# Altium PCB PCB2.PcbDoc (part 1 of 5) (continued)
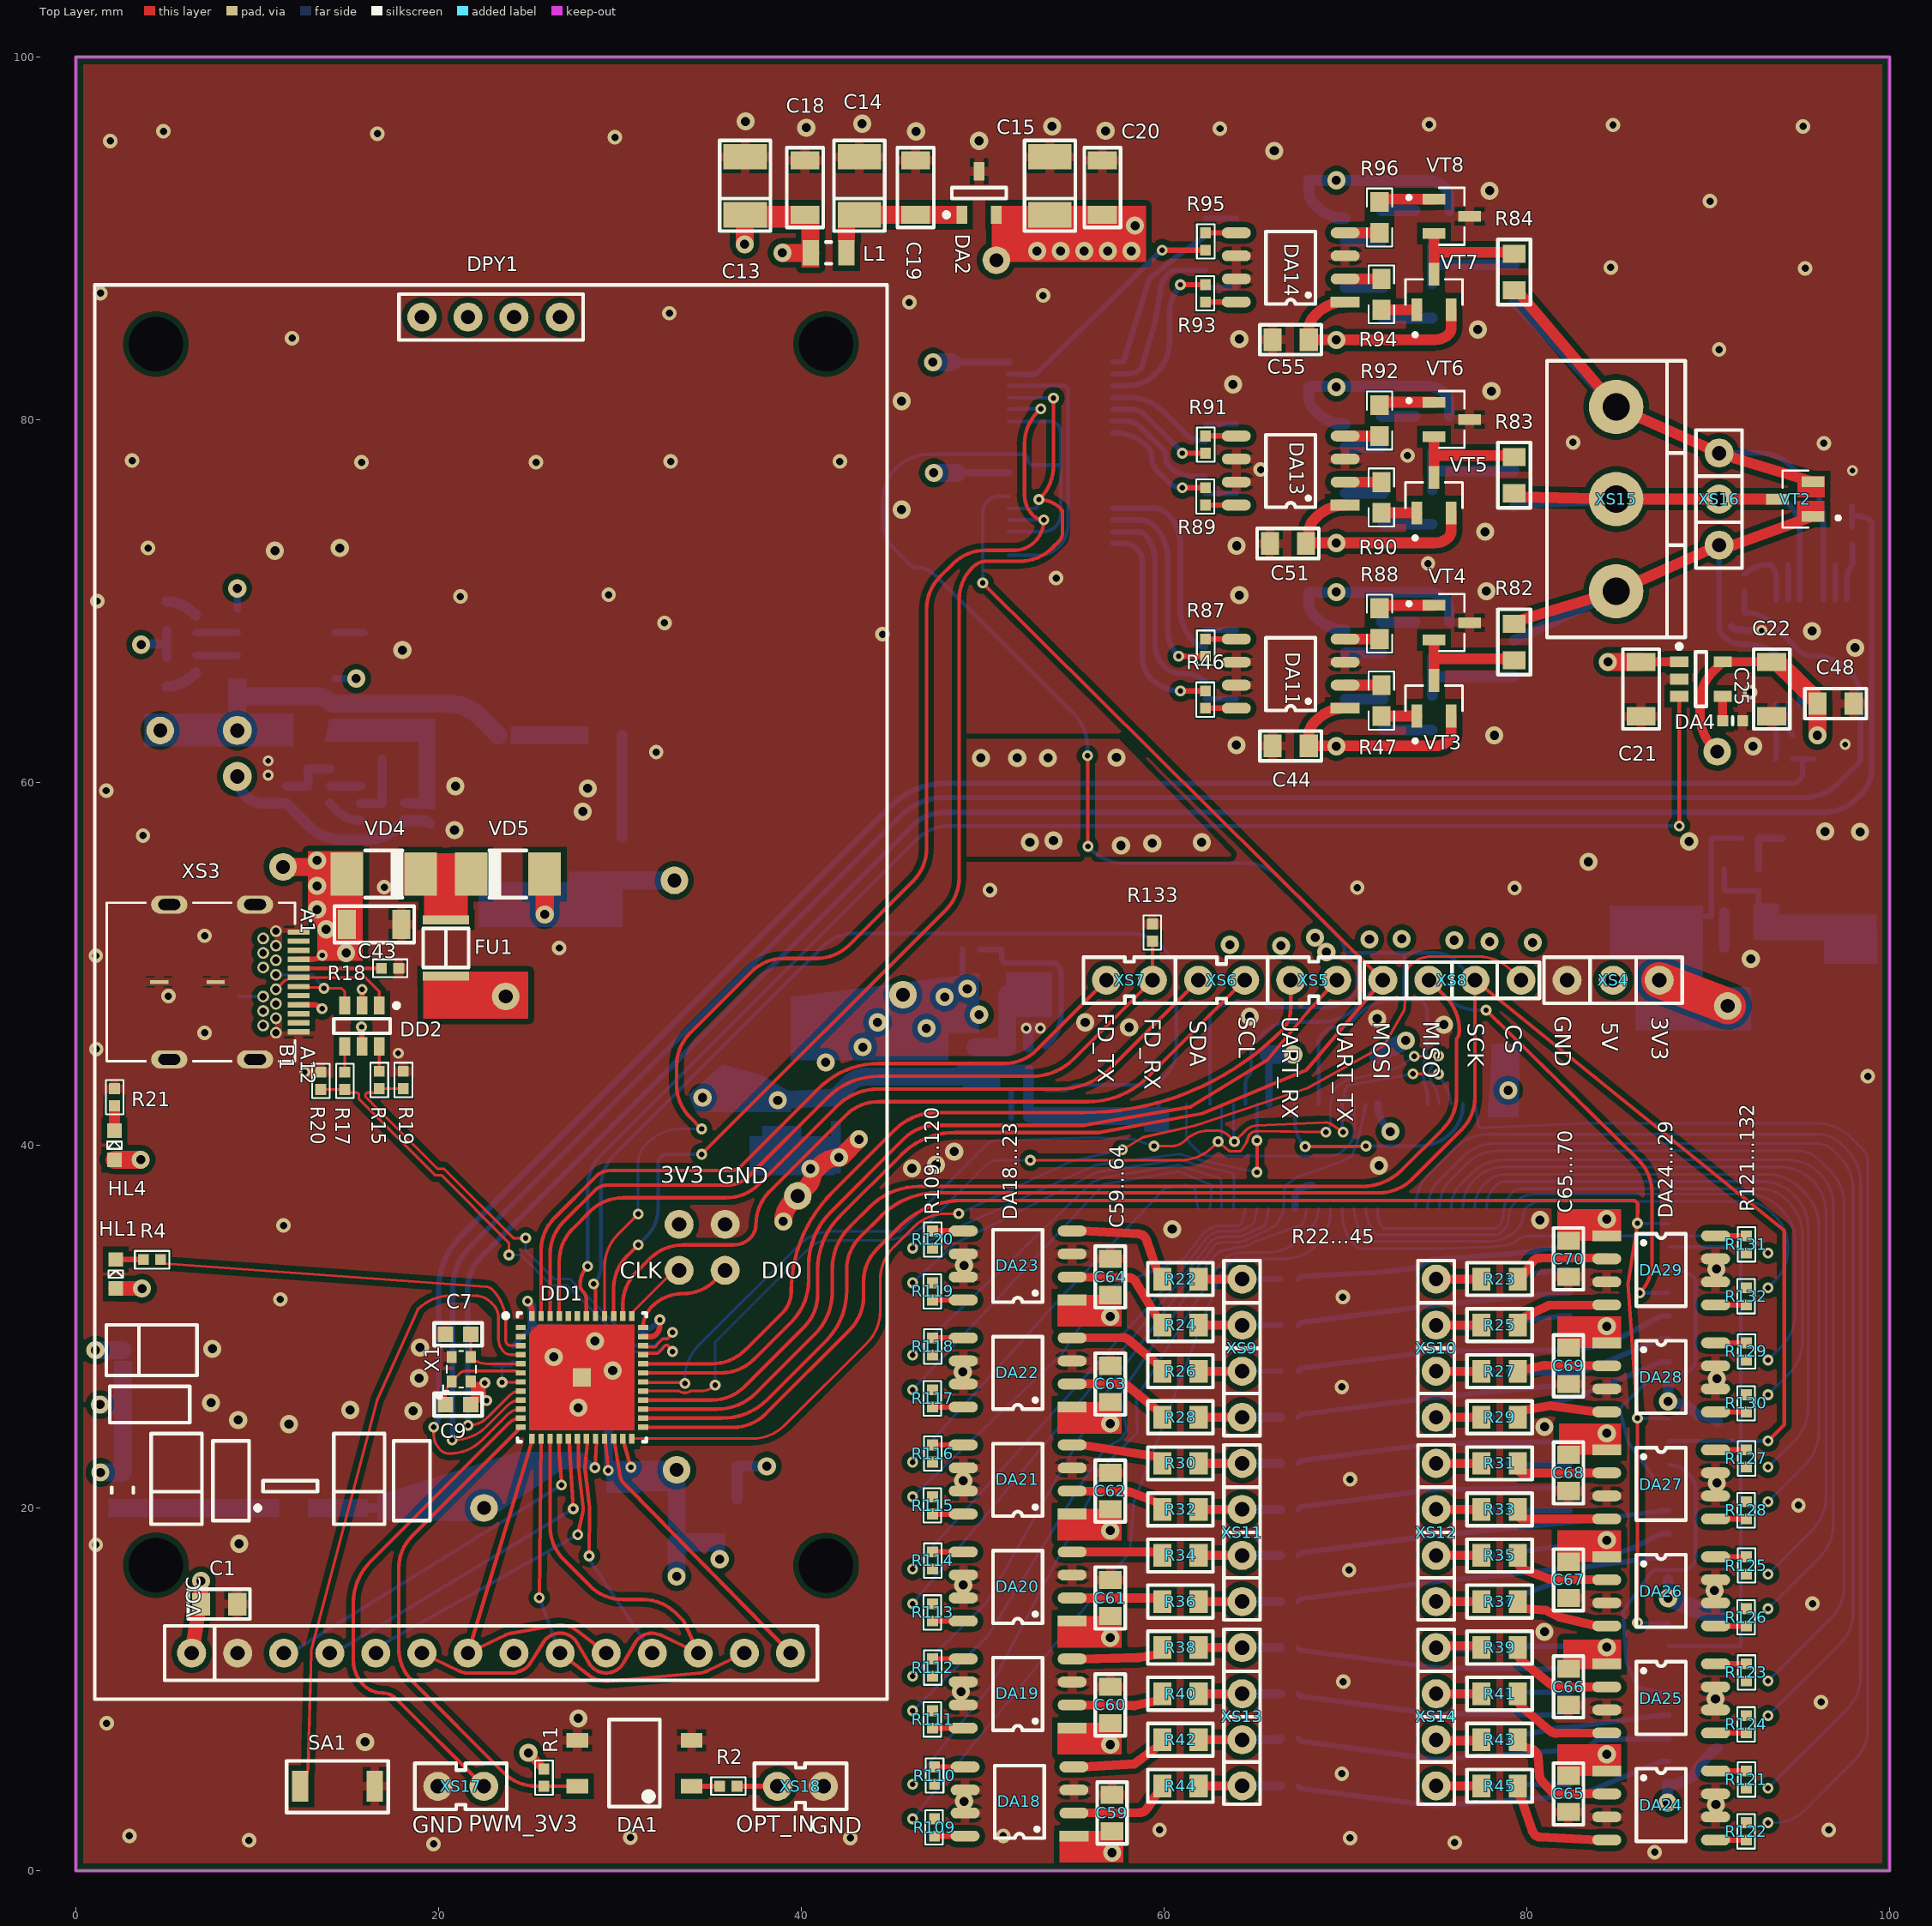
[diagram p0: Top Layer view]
## Design rules (kind name [scope] priority, off if disabled: settings) (continued)
RoomDefinition ig3 [InComponentClass('ig3')] p16: confinementstyle=ConfineIn formatcopy=TRUE lockcomponents=FALSE outline 45.335,12.871 58.535,12.871 58.535,18.271 45.335,18.271
RoomDefinition ig2 [InComponentClass('ig2')] p17: confinementstyle=ConfineIn formatcopy=TRUE lockcomponents=FALSE outline 45.335,6.971 58.535,6.971 58.535,12.371 45.335,12.371
RoomDefinition ig1 [InComponentClass('ig1')] p18: confinementstyle=ConfineIn formatcopy=TRUE lockcomponents=FALSE outline 45.335,0.971 58.635,0.971 58.635,6.471 45.335,6.471
RoomDefinition ic [InComponentClass('ic')] p19: confinementstyle=ConfineIn formatcopy=TRUE lockcomponents=FALSE outline 38.95,0.5 104,0.5 104,52.075 38.95,52.075
RoomDefinition POWER [InComponentClass('POWER')] p20: confinementstyle=ConfineIn formatcopy=TRUE lockcomponents=FALSE outline -3.8,0 100.5,0 100.5,104.4 -3.8,104.4
RoomDefinition ii [InComponentClass('ii')] p21: confinementstyle=ConfineIn formatcopy=TRUE lockcomponents=FALSE outline 53.5,0 108.2,0 108.2,36.892 53.5,36.892
RoomDefinition RLCT [InComponentClass('RLCT')] p22: confinementstyle=ConfineIn formatcopy=TRUE lockcomponents=FALSE outline 47,45.9 103.5,45.9 103.5,100.8 47,100.8
RoomDefinition MCU [InComponentClass('MCU')] p23: confinementstyle=ConfineIn formatcopy=TRUE lockcomponents=FALSE outline 0,0 48.2,0 48.2,97.5 0,97.5
RoomDefinition main [InComponentClass('main')] p24: confinementstyle=ConfineIn formatcopy=TRUE lockcomponents=FALSE outline 7.05,9.025 7.05,0 46.86,0 46.86,9.025
RoomDefinition IC_CONTACT [InComponentClass('IC_CONTACT')] p25: confinementstyle=ConfineIn formatcopy=TRUE lockcomponents=FALSE outline 44.5,0 102.8,0 102.8,51.7 44.5,51.7
RoutingVias [All] p1: holewidth=0.3 width=0.6 viastyle="Through Hole" minholewidth=0.3 minwidth=0.6 maxholewidth=0.711 maxwidth=1.27
SolderMaskExpansion [All] p1: expansion=0.102 istentingtop=FALSE
Width [All] p1: maxlimit=4 minlimit=0.15 preferedwidth=0.3 midlayer1_minwidth=0.254 midlayer1_maxwidth=0.254 midlayer1_prefwidth=0.254 midlayer2_minwidth=0.254 midlayer2_maxwidth=0.254 midlayer2_prefwidth=0.254 minimp=50.000000 maximp=50.000000 favimp=50.000000
28 further rules are at their usual default settings.

## Classes and differential pairs
channel class rlc_gate: rg1 rg2 rg3 rg4 rg5 rg6
channel class ic_gate: ig1 ig2 ig3 ig4 ig5 ig6 ig7 ig8 ig9 ig10 ig11 ig12
net class RLC_O[1..6]: RLC_O1 RLC_O2 RLC_O3 RLC_O4 RLC_O5 RLC_O6
net class R_LIN[1..6]: R_LIN1 R_LIN2 R_LIN3 R_LIN4 R_LIN5 R_LIN6
net class R_HIN[1..6]: R_HIN1 R_HIN2 R_HIN3 R_HIN4 R_HIN5 R_HIN6
net class IC_I[1..24]: IC_I1 IC_I2 IC_I3 IC_I4 IC_I5 IC_I6 IC_I7 IC_I8 IC_I9 IC_I10 IC_I11 IC_I12 IC_I13 IC_I14 IC_I15 IC_I16 IC_I17 IC_I18 IC_I19 IC_I20 IC_I21 IC_I22 IC_I23 IC_I24
net class B_IN[1..12]: B_IN1 B_IN2 B_IN3 B_IN4 B_IN5 B_IN6 B_IN7 B_IN8 B_IN9 B_IN10 B_IN11 B_IN12
net class B[1..12]: B1 B2 B3 B4 B5 B6 B7 B8 B9 B10 B11 B12
net class A_IN[1..12]: A_IN1 A_IN2 A_IN3 A_IN4 A_IN5 A_IN6 A_IN7 A_IN8 A_IN9 A_IN10 A_IN11 A_IN12
net class A[1..12]: A1 A2 A3 A4 A5 A6 A7 A8 A9 A10 A11 A12
component class RLCT: C48 C49 C50 DA12 DD6 DD7 R72 R73 R74 R75 R76 R77 R78 R79 R80 R81 R82 R83 R84 R85 R86 VT2 XS15 XS16
component class rg6: C58 DA17 R105 R106 R107 R108 VT13 VT14
component class rg5: C57 DA16 R101 R102 R103 R104 VT11 VT12
component class rg4: C56 DA15 R97 R98 R99 R100 VT9 VT10
component class rg3: C55 DA14 R93 R94 R95 R96 VT7 VT8
component class rg2: C51 DA13 R89 R90 R91 R92 VT5 VT6
component class rg1: C44 DA11 R46 R47 R87 R88 VT3 VT4
component class POWER: C13 C14 C15 C16 C17 C18 C19 C20 C21 C22 C23 C24 C25 C26 C27 C28 C29 C30 C31 C32 C33 C34 C35 C36 C37 C38 C39 C40 C41 C42 C43 DA2 DA3 DA4 DA5 DA6 DA7 DA8 DA9 DA10 DD2 FU1 HL2 HL3 HL4 L1 L2 L3 L5 R5 R6 R7 R8 R9 R10 R11 R12 R13 R14 R15 R16 R17 R18 R19 R20 R21 TP1 TP2 TP3 TP4 TP5 TP6 TP7 TP8 TP9 TP10 TP11 VD1 VD2 VD3 VD4 VD5 VT1 XS2 XS3
component class MCU: C1 C2 C3 C4 C5 C6 C7 C8 C9 C10 C11 C12 DA1 DD1 DPY1 HL1 R1 R2 R3 R4 R133 SA1 X1 XS1 XS19
component class main: XS17 XS18
component class ii: C45 C46 C47 DD3 DD4 DD5 R48 R49 R50 R51 R52 R53 R54 R55 R56 R57 R58 R59 R60 R61 R62 R63 R64 R65 R66 R67 R68 R69 R70 R71
component class ig12: C70 DA29 R131 R132
component class ig11: C69 DA28 R129 R130
component class ig10: C68 DA27 R127 R128
component class ig9: C67 DA26 R125 R126
component class ig8: C66 DA25 R123 R124
component class ig7: C65 DA24 R121 R122
component class ig6: C64 DA23 R119 R120
component class ig5: C63 DA22 R117 R118
component class ig4: C62 DA21 R115 R116
component class ig3: C61 DA20 R113 R114
component class ig2: C60 DA19 R111 R112
component class ig1: C59 DA18 R109 R110
component class ic: C52 C53 C54 DD8 DD9 DD10
component class IC_CONTACT: R22 R23 R24 R25 R26 R27 R28 R29 R30 R31 R32 R33 R34 R35 R36 R37 R38 R39 R40 R41 R42 R43 R44 R45 XS4 XS5 XS6 XS7 XS8 XS9 XS10 XS11 XS12 XS13 XS14
differential pair USB: +USB_P -USB_N
differential pair D: +D_P -D_N

## Components (designator, comment, footprint, x,y, rotation, side; value= is the part's Value field where it differs from the comment)
C1 "1uF" "CAP: 0805" 7.9,14.7 r0 top
C2 "100nF" "CAP: 0402" 27.75,23.173 r90 bottom
C3 "4.7uF" "CAP: 1206" 25.975,24.123 r90 bottom
C4 "100nF" "CAP: 0402" 23.025,28.45 r90 bottom
C5 "100nF" "CAP: 0402" 30.6,20.6 r270 bottom
C6 "4.7uF" "CAP: 1206" 30.857,24.875 r0 bottom
C7 "6.8pF" "CAP: 0603" 21.075,29.575 r180 top
C8 "4.7uF" "CAP: 1206" 26.725,28.425 r270 bottom
C9 "6.8pF" "CAP: 0603" 21.075,25.7 r0 top
C10 "100nF" "CAP: 0402" 25.15,29.375 r270 bottom
C11 "100nF" "CAP: 0402" 29.907,23.2 r0 bottom
C12 "100nF" "CAP: 0402" 31.1,30.3 r90 bottom
C13 "Capacitor polar" "CAP: TANTAL-B" 36.9,92.9 r90 top
C14 "Capacitor polar" "CAP: TANTAL-B" 43.2,92.9 r90 top
C15 "Capacitor polar" "CAP: TANTAL-B" 53.7,92.9 r90 top
C16 "Capacitor polar" "CAP: TANTAL-B" 23.3,61 r270 bottom
C17 "Capacitor polar" "CAP: TANTAL-B" 23.4,55.4 r90 bottom
C18 "Capacitor nonpolar" "CAP: 1206" 40.2,92.8 r90 top
C19 "Capacitor nonpolar" "CAP: 1206" 46.3,92.8 r90 top
C20 "Capacitor nonpolar" "CAP: 1206" 56.6,92.8 r90 top
C21 "Capacitor nonpolar" "CAP: 1206" 86.3,65.15 r270 top
C22 "Capacitor nonpolar" "CAP: 1206" 93.5,65.15 r270 top
C23 "Capacitor nonpolar" "CAP: 1206" 26.2,61.1 r270 bottom
C24 "Capacitor nonpolar" "CAP: 1206" 26.4,55.5 r90 bottom
C25 "100nF" "CAP: 0402" 91.35,63.4 r0 top
C26 "Capacitor polar" "CAP: TANTAL-B" 4.175,28.7 r0 bottom
C27 "Capacitor polar" "CAP: TANTAL-B" 5.55,21.6 r90 bottom
C28 "Capacitor polar" "CAP: TANTAL-B" 15.625,21.6 r90 bottom
C29 "Capacitor nonpolar" "CAP: 1206" 4.075,25.7 r0 bottom
C30 "Capacitor nonpolar" "CAP: 1206" 8.55,21.5 r90 bottom
C31 "Capacitor nonpolar" "CAP: 1206" 18.525,21.5 r90 bottom
C32 "Capacitor nonpolar" "CAP: 1206" 36.45,23.8 r90 bottom
C33 "Capacitor nonpolar" "CAP: 1206" 31.625,18.1 r180 bottom
C34 "100nF" "CAP: 0402" 19.5,58.3 r270 bottom
C35 "Capacitor polar" "CAP: TANTAL-B" 44.421,43.8 r270 bottom
C36 "Capacitor nonpolar" "CAP: 1206" 47.321,43.9 r270 bottom
C37 "Capacitor polar" "CAP: TANTAL-B" 58.321,43 r90 bottom
C38 "Capacitor nonpolar" "CAP: 1206" 55.421,43.1 r90 bottom
C39 "Capacitor polar" "CAP: TANTAL-B" 98.1,53.625 r90 bottom
C40 "Capacitor polar" "CAP: TANTAL-B" 85.9,54.025 r90 bottom
C41 "Capacitor nonpolar" "CAP: 1206" 95,53.725 r90 bottom
C42 "Capacitor nonpolar" "CAP: 1206" 88.9,54.125 r90 bottom
C43 "Capacitor nonpolar" "CAP: 1206" 16.45,52.175 r0 top
C44 "Capacitor nonpolar" "CAP: 0805" 66.982,62.015 r180 top (schematic designator C51)
C45 "Capacitor nonpolar" "CAP: 0805" 90.5,25.78 r90 bottom
C46 "Capacitor nonpolar" "CAP: 0805" 90.5,5.755 r270 bottom
C47 "Capacitor nonpolar" "CAP: 0805" 90.5,15.03 r90 bottom
C48 "Capacitor nonpolar" "CAP: 0805" 97.025,64.35 r0 top
C49 "Capacitor nonpolar" "CAP: 0805" 48.6,76.075 r270 bottom
C50 "Capacitor nonpolar" "CAP: 0805" 48.6,82.175 r270 bottom
C51 "Capacitor nonpolar" "CAP: 0805" 66.832,73.177 r180 top
C52 "Capacitor nonpolar" "CAP: 0805" 70.775,45 r180 bottom
C53 "Capacitor nonpolar" "CAP: 0805" 64.775,45 r180 bottom
C54 "Capacitor nonpolar" "CAP: 0805" 77.525,45 r180 bottom
C55 "Capacitor nonpolar" "CAP: 0805" 66.982,84.415 r180 top (schematic designator C51)
C56 "Capacitor nonpolar" "CAP: 0805" 66.982,70.49 r180 bottom (schematic designator C51)
C57 "Capacitor nonpolar" "CAP: 0805" 66.982,81.84 r180 bottom (schematic designator C51)
C58 "Capacitor nonpolar" "CAP: 0805" 66.982,93.19 r180 bottom (schematic designator C51)
C59 "Capacitor nonpolar" "CAP: 0805" 57.135,3.181 r90 top (schematic designator C44)
C60 "Capacitor nonpolar" "CAP: 0805" 57.035,9.136 r90 top (schematic designator C44)
C61 "Capacitor nonpolar" "CAP: 0805" 57.035,15.036 r90 top (schematic designator C44)
C62 "Capacitor nonpolar" "CAP: 0805" 57.035,20.936 r90 top (schematic designator C44)
C63 "Capacitor nonpolar" "CAP: 0805" 57.035,26.836 r90 top (schematic designator C44)
C64 "Capacitor nonpolar" "CAP: 0805" 57.035,32.736 r90 top (schematic designator C44)
C65 "Capacitor nonpolar" "CAP: 0805" 82.3,4.235 r270 top (schematic designator C44)
C66 "Capacitor nonpolar" "CAP: 0805" 82.3,10.135 r270 top (schematic designator C44)
C67 "Capacitor nonpolar" "CAP: 0805" 82.3,16.035 r270 top (schematic designator C44)
C68 "Capacitor nonpolar" "CAP: 0805" 82.3,21.935 r270 top (schematic designator C44)
C69 "Capacitor nonpolar" "CAP: 0805" 82.3,27.835 r270 top (schematic designator C44)
C70 "Capacitor nonpolar" "CAP: 0805" 82.3,33.735 r270 top (schematic designator C44)
DA1 "TLP182" SO-4 30.8,5.925 r180 top
DA2 "MAX6035BAUR50T" SOT-23-3#1 49.8,92.5 r90 top
DA3 "ME2188A50XG" SOT-23-3#1 29.155,55.8 r270 bottom
DA4 "LP2985A-10DBVR" SOT-23-5L 89.6,65.7 r0 top
DA5 "REF3033AIDBZR" SOT-23-3#2 11.825,21.2 r90 bottom
DA6 "ME6216A33XG" SOT-23-3#1 36.45,19.3 r90 bottom
DA7 "TP4056" SOP8-P 11.633,67.635 r180 bottom
DA8 "DW01A" SOT-23-6#1 16.9,58.85 r0 bottom
DA9 "FP6291LR-G1" SOT-23-6#1 52.521,44.2 r270 bottom
DA10 "RT8096CHGJ5" SOT-23-5L 91.83,54.025 r90 bottom
DA11 "MX6208" SOP8 67.188,66 r180 top (schematic designator DA13)
DA12 "TL084CPT" "tssop 14" 95.7,67.2 r90 bottom
DA13 "MX6208" SOP8 67.188,77.2 r180 top
DA14 "MX6208" SOP8 67.188,88.4 r180 top (schematic designator DA13)
DA15 "MX6208" SOP8 67.188,66.505 r180 bottom (schematic designator DA13)
DA16 "MX6208" SOP8 67.188,77.855 r180 bottom (schematic designator DA13)
DA17 "MX6208" SOP8 67.188,89.205 r180 bottom (schematic designator DA13)
DA18 "MX6208" SOP8 52.235,3.816 r180 top (schematic designator DA11)
DA19 "MX6208" SOP8 52.135,9.771 r180 top (schematic designator DA11)
DA20 "MX6208" SOP8 52.135,15.671 r180 top (schematic designator DA11)
DA21 "MX6208" SOP8 52.135,21.571 r180 top (schematic designator DA11)
DA22 "MX6208" SOP8 52.135,27.471 r180 top (schematic designator DA11)
DA23 "MX6208" SOP8 52.135,33.371 r180 top (schematic designator DA11)
DA24 "MX6208" SOP8 87.2,3.6 r0 top (schematic designator DA11)
DA25 "MX6208" SOP8 87.2,9.5 r0 top (schematic designator DA11)
DA26 "MX6208" SOP8 87.2,15.4 r0 top (schematic designator DA11)
DA27 "MX6208" SOP8 87.2,21.3 r0 top (schematic designator DA11)
DA28 "MX6208" SOP8 87.2,27.2 r0 top (schematic designator DA11)
DA29 "MX6208" SOP8 87.2,33.1 r0 top (schematic designator DA11)
DD1 "STM32G431CBU6" PQFN50P700X700X100_HS-49N 27.9,27.2 r0 top
DD2 "USBLC6-2SC6" SOT-23-6#2 15.775,46.575 r270 top
DD3 "CD4021BM96" SOIC127P600X265-16N 85.1,31.225 r0 bottom
DD4 "CD4021BM96" SOIC127P600X265-16N 85.1,9.2 r0 bottom
DD5 "CD4021BM96" SOIC127P600X265-16N 85.1,20.475 r0 bottom
DD6 "74HC595PW,118" "tssop 16" 54.3,74.8 r180 bottom
DD7 "74HC595PW,118" "tssop 16" 54.3,80.9 r180 bottom
DD8 "74HC595PW,118" "tssop 16" 63.5,39.4 r90 bottom
DD9 "74HC595PW,118" "tssop 16" 69.5,39.4 r90 bottom
DD10 "74HC595PW,118" "tssop 16" 75.5,39.4 r90 bottom
DPY1 "240x320" "ILI9341 TOUCH 2.4" 22.89,12 r90 top locked
FU1 "PTC Resettable Fuse" 1210 20.4,50.875 r270 top
HL1 "Blue" LED_0603 2.2,32.9 r90 top
HL2 "Red" LED_0603 5,69.17 r90 bottom
HL3 "Green" LED_0603 5,66.1 r270 bottom
HL4 "Green" LED_0603 2.125,40 r90 top
L1 "3.3uH" "0805 inductor" 41.5,89.2 r0 top
L2 "22uH" "0805 inductor" 29.125,62.6 r180 bottom
L3 "3.3uH" "0805 inductor" 2.575,20.98 r270 bottom
L4 "3.3uH" "0805 inductor" 49.6,44.42 r270 bottom
L5 "3.3uH" "0805 inductor" 89.9,50.925 r180 bottom
R1 "10k" 0402 25.8,5.13 r270 top
R2 "220Ω" 0402 35.975,4.655 r0 top
R3 "10k" 0402 24.1,28.45 r270 bottom
R4 "220Ω" 0402 4.2,33.7 r180 top
R5 "1kΩ" 0402 6.6,68.745 r270 bottom
R6 "1kΩ" 0402 6.6,66.525 r90 bottom
R7 "100Ω" 0805 12.5,62.87 r0 bottom
R8 "2.2kΩ" 0402 15.9,67.795 r90 bottom
R9 "1kΩ" 0402 16.425,61.3 r0 bottom
R10 "100kΩ" 0402 49.35,50.8 r180 bottom
R11 "10k" 0402 51.096,41.5 r0 bottom
R12 "5.23kΩ" 0402 51.521,50.8 r180 bottom
R13 "47kΩ" 0402 92.305,56.925 r180 bottom
R14 "10.5kΩ" 0402 94.525,56.925 r180 bottom
R15 "22Ω" 0402 16.725,43.6 r270 top
R16 "5k1" 0402 8.525,48.2 r180 bottom
R17 "22Ω" 0402 14.825,43.55 r270 top
R18 "5k1" 0402 17.325,49.75 r0 top
R19 "10k" 0402 18.05,43.6 r270 top
R20 "10k" 0402 13.5,43.55 r270 top
R21 "220Ω" 0402 2.125,42.65 r270 top
R22 "120Ω" 0805 60.9,32.62 r0 top
R23 "120Ω" 0805 78.5,32.62 r180 top
R24 "120Ω" 0805 60.9,30.08 r180 top
R25 "120Ω" 0805 78.5,30.08 r180 top
R26 "120Ω" 0805 60.9,27.54 r180 top
R27 "120Ω" 0805 78.5,27.54 r180 top
R28 "120Ω" 0805 60.9,25 r180 top
R29 "120Ω" 0805 78.5,25 r180 top
R30 "120Ω" 0805 60.9,22.46 r180 top
R31 "120Ω" 0805 78.5,22.46 r180 top
R32 "120Ω" 0805 60.9,19.92 r180 top
R33 "120Ω" 0805 78.5,19.92 r180 top
R34 "120Ω" 0805 60.9,17.38 r180 top
R35 "120Ω" 0805 78.5,17.38 r180 top
R36 "120Ω" 0805 60.9,14.84 r180 top
R37 "120Ω" 0805 78.5,14.84 r180 top
R38 "120Ω" 0805 60.9,12.3 r180 top
R39 "120Ω" 0805 78.5,12.3 r180 top
R40 "120Ω" 0805 60.9,9.76 r180 top
R41 "120Ω" 0805 78.5,9.76 r180 top
R42 "120Ω" 0805 60.9,7.22 r180 top
R43 "120Ω" 0805 78.5,7.22 r180 top
R44 "120Ω" 0805 60.9,4.68 r180 top
R45 "120Ω" 0805 78.5,4.68 r180 top
R46 "1kΩ" 0402 62.282,64.57 r90 top (schematic designator R87)
R47 "56Ω" 0603 71.982,64.515 r90 top (schematic designator R88)
R48 "1kΩ" 0402 66.9,32.62 r0 bottom
R49 "1kΩ" 0402 66.9,30.08 r0 bottom
R50 "1kΩ" 0402 66.9,27.54 r0 bottom
R51 "1kΩ" 0402 66.9,25 r0 bottom
R52 "1kΩ" 0402 66.9,22.46 r0 bottom
R53 "1kΩ" 0402 66.9,19.92 r0 bottom
R54 "1kΩ" 0402 66.9,17.38 r0 bottom
R55 "1kΩ" 0402 66.9,14.84 r0 bottom
R56 "1kΩ" 0402 66.9,12.3 r0 bottom
R57 "1kΩ" 0402 66.9,9.76 r0 bottom
R58 "1kΩ" 0402 66.9,7.3 r0 bottom
R59 "1kΩ" 0402 66.9,4.68 r0 bottom
R60 "1kΩ" 0402 78.5,4.68 r0 bottom
R61 "1kΩ" 0402 78.5,7.22 r0 bottom
R62 "1kΩ" 0402 78.5,9.76 r0 bottom
R63 "1kΩ" 0402 78.5,12.3 r0 bottom
R64 "1kΩ" 0402 78.5,14.84 r0 bottom
R65 "1kΩ" 0402 78.5,17.38 r0 bottom
R66 "1kΩ" 0402 78.5,19.92 r0 bottom
R67 "1kΩ" 0402 78.5,22.46 r0 bottom
R68 "1kΩ" 0402 78.5,25 r0 bottom
R69 "1kΩ" 0402 78.5,27.54 r0 bottom
R70 "1kΩ" 0402 78.5,30.08 r0 bottom
R71 "1kΩ" 0402 78.5,32.62 r0 bottom
R72 "4.75kΩ" 0402 97.938,75.725 r90 bottom
R73 "10kΩ" 0402 97.938,73.625 r90 bottom
R74 "10kΩ" 0402 97.475,72 r0 bottom
R75 "680Ω" 0805 79.3,87.54 r90 bottom
R76 "680Ω" 0805 79.3,76.19 r90 bottom
R77 "680Ω" 0805 79.3,66.84 r270 bottom
R78 "10kΩ" 0402 94.175,62.6 r0 bottom
R79 "10kΩ" 0402 93.925,72 r0 bottom
R80 "10kΩ" 0402 94.175,61.3 r180 bottom
R81 "10kΩ" 0402 92,71 r90 bottom
R82 "470kΩ" 0805 79.3,67.745 r90 top
R83 "470kΩ" 0805 79.3,76.945 r270 top
R84 "470kΩ" 0805 79.3,88.145 r270 top
R85 "4.75kΩ" 0402 96.25,61.3 r180 bottom
R86 "4.75kΩ" 0402 92,68.9 r90 bottom
R87 "1kΩ" 0402 62.282,67.43 r270 top (schematic designator R89)
R88 "56Ω" 0603 71.882,68.755 r270 top (schematic designator R90)
R89 "1kΩ" 0402 62.282,75.77 r90 top (schematic designator R87)
R90 "56Ω" 0603 71.982,75.715 r90 top (schematic designator R88)
R91 "1kΩ" 0402 62.282,78.63 r270 top (schematic designator R89)
R92 "56Ω" 0603 71.882,79.955 r270 top (schematic designator R90)
R93 "1kΩ" 0402 62.282,86.97 r90 top (schematic designator R87)
R94 "56Ω" 0603 71.982,86.915 r90 top (schematic designator R88)
R95 "1kΩ" 0402 62.282,89.83 r270 top (schematic designator R89)
R96 "56Ω" 0603 71.882,91.155 r270 top (schematic designator R90)
R97 "1kΩ" 0402 62.282,67.935 r270 bottom (schematic designator R87)
R98 "56Ω" 0603 71.982,67.99 r270 bottom (schematic designator R88)
R99 "1kΩ" 0402 62.282,65.075 r90 bottom (schematic designator R89)
R100 "56Ω" 0603 72.082,63.75 r90 bottom (schematic designator R90)
R101 "1kΩ" 0402 62.282,79.285 r270 bottom (schematic designator R87)
R102 "56Ω" 0603 71.982,79.34 r270 bottom (schematic designator R88)
R103 "1kΩ" 0402 62.282,76.425 r90 bottom (schematic designator R89)
R104 "56Ω" 0603 72.082,75.1 r90 bottom (schematic designator R90)
R105 "1kΩ" 0402 62.282,90.635 r270 bottom (schematic designator R87)
R106 "56Ω" 0603 71.982,90.69 r270 bottom (schematic designator R88)
R107 "1kΩ" 0402 62.282,87.775 r90 bottom (schematic designator R89)
R108 "56Ω" 0603 72.082,86.45 r90 bottom (schematic designator R90)
R109 "1kΩ" 0402 47.335,2.386 r90 top (schematic designator R46)
R110 "1kΩ" 0402 47.335,5.246 r270 top (schematic designator R47)
R111 "1kΩ" 0402 47.235,8.341 r90 top (schematic designator R46)
R112 "1kΩ" 0402 47.235,11.201 r270 top (schematic designator R47)
R113 "1kΩ" 0402 47.235,14.241 r90 top (schematic designator R46)
R114 "1kΩ" 0402 47.235,17.101 r270 top (schematic designator R47)
R115 "1kΩ" 0402 47.235,20.141 r90 top (schematic designator R46)
R116 "1kΩ" 0402 47.235,23.001 r270 top (schematic designator R47)
R117 "1kΩ" 0402 47.235,26.041 r90 top (schematic designator R46)
R118 "1kΩ" 0402 47.235,28.901 r270 top (schematic designator R47)
R119 "1kΩ" 0402 47.235,31.941 r90 top (schematic designator R46)
R120 "1kΩ" 0402 47.235,34.801 r270 top (schematic designator R47)
R121 "1kΩ" 0402 92.1,5.03 r270 top (schematic designator R46)
R122 "1kΩ" 0402 92.1,2.17 r90 top (schematic designator R47)
R123 "1kΩ" 0402 92.1,10.93 r270 top (schematic designator R46)
R124 "1kΩ" 0402 92.1,8.07 r90 top (schematic designator R47)
R125 "1kΩ" 0402 92.1,16.83 r270 top (schematic designator R46)
R126 "1kΩ" 0402 92.1,13.97 r90 top (schematic designator R47)
R127 "1kΩ" 0402 92.1,22.73 r270 top (schematic designator R46)
R128 "1kΩ" 0402 92.1,19.87 r90 top (schematic designator R47)
R129 "1kΩ" 0402 92.1,28.63 r270 top (schematic designator R46)
R130 "1kΩ" 0402 92.1,25.77 r90 top (schematic designator R47)
R131 "1kΩ" 0402 92.1,34.53 r270 top (schematic designator R46)
R132 "1kΩ" 0402 92.1,31.67 r90 top (schematic designator R47)
R133 "10k" 0402 59.36,51.725 r90 top
SA1 "Button" BUTTON_3X4 14.425,4.655 r180 top
TP1 "Connector 1 Pin" "1P 2.54 мм fem" 50.75,88.8 r0 bottom
TP2 "Connector 1 Pin" "1P 2.54 мм fem" 90.5,61.7 r180 bottom
TP3 "Connector 1 Pin" "1P 2.54 мм fem" 33,54.6 r180 bottom
TP4 "Connector 1 Pin" "1P 2.54 мм fem" 22.5,20 r180 bottom
TP5 "Connector 1 Pin" "1P 2.54 мм fem" 33.125,22.1 r180 bottom
TP6 "Connector 1 Pin" "1P 2.54 мм fem" 4.65,62.87 r180 bottom
TP7 "Connector 1 Pin" "1P 2.54 мм fem" 45.6,48.3 r180 bottom
TP8 "Connector 1 Pin" "1P 2.54 мм fem" 39.8,37.2 r180 bottom
TP9 "Connector 1 Pin" "1P 2.54 мм fem" 91.075,47.675 r90 bottom
TP10 "Connector 1 Pin" "1P 2.54 мм fem" 11.425,55.35 r90 bottom
TP11 "Connector 1 Pin" "1P 2.54 мм fem" 23.7,48.2 r90 bottom
VD1 "SM340A" DO-214AC 50.9,48.3 r0 bottom
VD2 "SM340A" DO-214AC 40.625,42.625 r90 bottom
VD3 "SM340A" DO-214AC 36.7,41.65 r90 bottom
VD4 "SM340A" DO-214AC 16.975,54.95 r180 top
VD5 "SM340A" DO-214AC 23.825,54.95 r0 top
VT1 "FS8205A" SOT-23-6#1 12.8,59.8 r0 bottom
VT2 "*" SOT-23 94.805,75.625 r180 top
VT3 "SI2301S" SOT-23GSD 74.882,64.645 r90 top
VT4 "WNM7002-3/TR" SOT-23GSD 75.862,68.815 r0 top
VT5 "SI2301S" SOT-23GSD 74.882,75.845 r90 top (schematic designator VT3)
VT6 "WNM7002-3/TR" SOT-23GSD 75.862,80.015 r0 top (schematic designator VT4)
VT7 "SI2301S" SOT-23GSD 74.882,87.045 r90 top (schematic designator VT3)
VT8 "WNM7002-3/TR" SOT-23GSD 75.862,91.215 r0 top (schematic designator VT4)
VT9 "SI2301S" SOT-23GSD 74.782,67.86 r270 bottom (schematic designator VT3)
VT10 "WNM7002-3/TR" SOT-23GSD 75.762,63.85 r0 bottom (schematic designator VT4)
VT11 "SI2301S" SOT-23GSD 74.782,79.21 r270 bottom (schematic designator VT3)
VT12 "WNM7002-3/TR" SOT-23GSD 75.762,75.2 r0 bottom (schematic designator VT4)
VT13 "SI2301S" SOT-23GSD 74.782,90.56 r270 bottom (schematic designator VT3)
VT14 "WNM7002-3/TR" SOT-23GSD 75.762,86.55 r0 bottom (schematic designator VT4)
X1 "CRYSTAL 24.0000MHZ 8PF SMD" SMD-2016-4P 21.25,27.65 r90 top
XS1 "Connector 2 Pin" "2p 2.54 мм - duplicate" 34.53,33.1 r180 bottom
XS2 "Connector 2 Pin" "2p 2.54 мм - duplicate" 8.9,61.6 r90 bottom
XS3 "632723300011" WURTH_632723X00011 7.7,49 r270 top
XS4 "Connector 3 Pin" "3p 2.54 мм - duplicate" 84.76,49.1 r180 top
XS5 "Connector 2 Pin" "2p 2.54 мм - duplicate" 68.25,49.1 r180 top
XS6 "Connector 2 Pin" "2p 2.54 мм - duplicate" 63.17,49.1 r0 top
XS7 "Connector 2 Pin" "2p 2.54 мм - duplicate" 58.09,49.1 r180 top
XS8 "Connector 4 Pin" "4P 2,54 MM" 75.87,49.1 r180 top
XS9 "Connector 4 Pin" "4P 2,54 MM" 64.3,28.81 r90 top
XS10 "Connector 4 Pin" "4P 2,54 MM" 75,28.81 r90 top
XS11 "Connector 4 Pin" "4P 2,54 MM" 64.3,18.65 r90 top
XS12 "Connector 4 Pin" "4P 2,54 MM" 75,18.65 r90 top
XS13 "Connector 4 Pin" "4P 2,54 MM" 64.3,8.49 r90 top
XS14 "Connector 4 Pin" "4P 2,54 MM" 75,8.49 r90 top
XS15 "Connector 3 Pin" "3P 5,08 MM" 84.925,75.625 r90 top
XS16 "Connector 3 Pin" "3p 2.54 мм - duplicate" 90.6,75.625 r90 top
XS17 "Connector 2 Pin" "2p 2.54 мм - duplicate" 21.225,4.655 r0 top
XS18 "Connector 2 Pin" "2p 2.54 мм - duplicate" 39.95,4.655 r180 top
XS19 "Connector 2 Pin" "2p 2.54 мм - duplicate" 34.53,35.64 r180 bottom

## Footprints (in the part's own frame and the unit in brackets; to place one, negate y for a bottom-side part, rotate by r counter-clockwise, add the part's x,y. Pads: shape width x height; smd on the part's side, far side on the other; paste and mask are expansions set on the pad)
"1P 2.54 мм fem" [mil]
  round 60 hole 30: 1(0,0)
  silkscreen extent -50,-50 50,50, body extent -60,-50 60,50, height 335
"2p 2.54 мм - duplicate" [mm] "2 pin"
  round 1.6 hole 0.8: 1(-1.27,0) 2(1.27,0)
  silkscreen extent -2.54,-1.27 2.54,1.27, body extent -2.54,-1.27 2.54,1.27, height 8.47
"3p 2.54 мм - duplicate" [mm] "3 pin"
  round 1.6 hole 0.8: 1(-2.54,0) 2(0,0) 3(2.54,0)
  silkscreen extent -3.81,-1.27 3.81,1.27, body extent -3.81,-1.24 3.81,1.25, height 8.54
"3P 5,08 MM" [mm]
  round 3 hole 1.5: 1(-5.08,0) 2(0,0) 3(5.08,0)
  silkscreen extent -7.62,-3.81 7.62,3.81, body extent -7.8,-3.8 7.8,3.8, height 10
"4P 2,54 MM" [mm]
  round 1.6 hole 0.8: 1(-3.81,0) 2(-1.27,0) 3(1.27,0) 4(3.81,0)
  silkscreen extent -4.83,-1 4.82,1, body extent -5.18,-1.25 4.98,1.25, height 9.6
0402 [mm] "Chip Resistor, 2-Leads, Body 1,00x0,50mm, IPC Medium Density"
  rect 0.6x0.6 smd: 1(-0.475,0) 2(0.475,0)
  silkscreen extent -0.95,-0.48 0.95,0.5, body extent -0.5,-0.25 0.5,0.25, height 0.35
0603 [mm]
  rect 1.1x1 smd: 1(-0.85,0) 2(0.85,0)
  silkscreen extent -1.6,-0.7 1.6,0.7, body extent -0.85,-0.4 0.85,0.4, height 0.56
0805 [mm]
  rect 1x1.25 smd: 1(-1,0) 2(1,0)
  silkscreen extent -1.8,-0.9 1.8,0.9, body extent -1,-0.63 1,0.62, height 0.4
"0805 inductor" [mm] "Chip Inductor, 2-Leads, Body 2,00x1,25mm, IPC Medium Density"
  rect 0.9x1.39 smd: 1(-0.98,0) 2(0.98,0)
  silkscreen extent -0.15,-0.6 0.15,0.59, body extent -1,-0.62 1,0.63, height 1.25
1210 [mm]
  rect 0.5x2.54 smd: 1(-1.55,0) 2(1.55,0)
  silkscreen extent -1.08,-1.25 1.07,1.25, body extent -1.61,-1.29 1.61,1.29, height 0.65
BUTTON_3X4 [mm]
  rect 0.9x1.7 smd: 1(-2.05,0) 2(2.05,0)
  silkscreen extent -2.8,-1.4 2.8,1.45, body extent -2.45,-1.45 2.45,1.45, height 2
"CAP: 0402" [mm]
  rect 0.6x0.6 smd: 1(-0.55,0) 2(0.55,0)
  silkscreen extent 0,-0.2 0,0.2, body extent -0.51,-0.25 0.51,0.25, height 0.51
"CAP: 0603" [mm]
  rect 0.85x0.85 smd: 1(-0.7,0) 2(0.7,0)
  silkscreen extent -1.32,-0.63 1.32,0.62, body extent -0.8,-0.4 0.8,0.4, height 0.3
"CAP: 0805" [mm]
  rect 1x1.25 smd: 1(-1,0) 2(1,0)
  silkscreen extent -1.7,-0.82 1.7,0.83, body extent -1,-0.62 1,0.63, height 0.78
"CAP: 1206" [mm]
  rect 1x1.6 smd: 1(-1.5,0) 2(1.5,0)
  silkscreen extent -2.2,-1 2.2,1, body extent -1.6,-0.8 1.6,0.8, height 1
"CAP: TANTAL-B" [mm]
  rect 1.4x2.4 smd: 1(-1.6,0) 2(1.6,0)
  silkscreen extent -2.5,-1.4 2.5,1.4, body extent -1.85,-1.46 1.85,1.47, height 2.03
DO-214AC [mm] "SMA"
  rect 1.8x2.4 smd: 1(2.025,0) 2(-2.025,0)
  silkscreen extent -1.06,-1.3 1.03,1.3, body extent -2.8,-1.48 2.8,1.48, height 2.7
"ILI9341 TOUCH 2.4" [mm]
  round 1.6 hole 0.8 paste+0 mask+0.102: 1(0,16.51) 2(0,13.97) 3(0,11.43) 4(0,8.89) 5(0,6.35) 6(0,3.81) 7(0,1.27) 8(0,-1.27) 9(0,-3.81) 10(0,-6.35) 11(0,-8.89) 12(0,-11.43) 13(0,-13.97) 14(0,-16.51) 15(73.66,1.27) 16(73.66,3.81) 17(73.66,-1.27) 18(73.66,-3.81)
  silkscreen extent -2.54,-21.84 75.44,21.84, body extent -2.17,-21.48 75.17,21.48, height 15.34
LED_0603 [mm]
  rect 0.8x0.8 smd: 1(-0.8,0) 2(0.8,0)
  silkscreen extent -0.2,-0.4 0.2,0.4, body extent -0.8,-0.4 0.8,0.4, height 0.7
PQFN50P700X700X100_HS-49N [mm] "PQFN, 48-Leads, Body 7,00x7,00mm, Pitch 0,50mm, Thermal Pad 5,80x5,80mm, IPC Medium Density"
  rect 0.55x0.3 smd: 1(-3.375,2.75) 2(-3.375,2.25) 3(-3.375,1.75) 4(-3.375,1.25) 5(-3.375,0.75) 6(-3.375,0.25) 7(-3.375,-0.25) 8(-3.375,-0.75) 9(-3.375,-1.25) 10(-3.375,-1.75) 11(-3.375,-2.25) 12(-3.375,-2.75) 25(3.375,-2.75) 26(3.375,-2.25) 27(3.375,-1.75) 28(3.375,-1.25) 29(3.375,-0.75) 30(3.375,-0.25) 31(3.375,0.25) 32(3.375,0.75) 33(3.375,1.25) 34(3.375,1.75) 35(3.375,2.25) 36(3.375,2.75)
  rect 0.3x0.55 smd: 13(-2.75,-3.375) 14(-2.25,-3.375) 15(-1.75,-3.375) 16(-1.25,-3.375) 17(-0.75,-3.375) 18(-0.25,-3.375) 19(0.25,-3.375) 20(0.75,-3.375) 21(1.25,-3.375) 22(1.75,-3.375) 23(2.25,-3.375) 24(2.75,-3.375) 37(2.75,3.375) 38(2.25,3.375) 39(1.75,3.375) 40(1.25,3.375) 41(0.75,3.375) 42(0.25,3.375) 43(-0.25,3.375) 44(-0.75,3.375) 45(-1.25,3.375) 46(-1.75,3.375) 47(-2.25,3.375) 48(-2.75,3.375)
  rect 1x1 smd: 49(0,0)
  Top Layer region: 2.9,-2.9 2.9,2.9 -2.4,2.9 -2.9,2.4 -2.9,-2.9
  silkscreen extent -4.32,-3.55 3.55,3.55, body extent -3.5,-3.5 3.5,3.5, height 0.55
SMD-2016-4P [mm]
  rect 0.65x0.55 smd: 1(-0.675,0.525) 2(0.675,0.525) 3(0.675,-0.525) 4(-0.675,-0.525)
  silkscreen extent -1.6,-0.8 1,1.3, body extent -1,-0.8 1,0.8, height 0.46
SO-4 [mm]
  rect 1.2x0.8 smd: 1(-3.15,1.27) 2(-3.15,-1.27) 3(3.15,-1.27) 4(3.15,1.27)
  silkscreen extent -1.39,-2.41 1.41,2.39, body extent -3.49,-2.41 3.51,2.39, height 2.1
SOIC127P600X265-16N [mm] "SOIC, 16-Leads, Body 9,90x3,90mm, Pitch 1,27mm, IPC Medium Density"
  oval 1.45x0.6 smd: 1(-2.725,4.445) 2(-2.725,3.175) 3(-2.725,1.905) 4(-2.725,0.635) 5(-2.725,-0.635) 6(-2.725,-1.905) 7(-2.725,-3.175) 8(-2.725,-4.445) 9(2.725,-4.445) 10(2.725,-3.175) 11(2.725,-1.905) 12(2.725,-0.635) 13(2.725,0.635) 14(2.725,1.905) 15(2.725,3.175) 16(2.725,4.445)
  silkscreen extent -1.6,-5 1.6,5, body extent -3,-4.95 3,4.95, height 1.4
SOP8 [mm]
  rect 1.6x0.6 smd: 1(-2.794,1.905)
  oval 1.6x0.6 smd: 2(-2.794,0.635) 3(-2.794,-0.635) 4(-2.794,-1.905) 5(3.206,-1.905) 6(3.206,-0.635) 7(3.206,0.635) 8(3.206,1.905)
  silkscreen extent -1.16,-1.98 1.57,2.02, body extent -3.02,-2.51 3.02,2.51, height 1.6
SOP8-P [mm]
  rrect1% 1.05x0.42 smd: 1(-2.667,1.905) 2(-2.667,0.635) 3(-2.667,-0.635) 4(-2.667,-1.905) 5(2.733,-1.905) 6(2.733,-0.635) 7(2.733,0.635) 8(2.733,1.905)
  rect 2.513x3.402 smd: 9(0,0)
  silkscreen extent -1.95,-2.54 1.95,2.54, body extent -3.02,-2.51 3.02,2.51, height 1.6
SOT-23 [mm]
  rect 1.26x0.59 smd: 1(-0.98,-0.95) 2(0.98,0) 3(-0.98,0.95)
  silkscreen extent -2.46,-1.57 0.7,1.57, body extent -1.25,-1.5 1.25,1.5, height 1.09
SOT-23-3#1 [mm]
  rect 1x0.6 smd: 1(-1.2,0.95) 2(-1.2,-0.95) 3(1.2,0)
  silkscreen extent -1.32,-1.5 0.3,1.92, body extent -1.25,-1.5 1.25,1.5, height 1.05
SOT-23-3#2 [mm]
  rect 1x0.6 smd: 1(-1.2,-0.95) 2(-1.2,0.95) 3(1.2,0)
  body extent -1.25,-1.5 1.25,1.5, height 1.05
SOT-23-5L [mm]
  rect 1x0.6 smd: 1(-1.2,0.95) 2(-1.2,0) 3(-1.2,-0.95) 4(1.2,-0.95) 5(1.2,0.95)
  silkscreen extent -1.32,-1.5 0.3,1.92, body extent -1.3,-1.5 1.3,1.5, height 1.1
SOT-23-6#1 [mm]
  rect 1x0.6 smd: 1(-1.2,0.95) 2(-1.2,0) 3(-1.2,-0.95) 4(1.2,-0.95) 5(1.2,0) 6(1.2,0.95)
  silkscreen extent -1.32,-1.5 0.3,1.92, body extent -1.4,-1.45 1.4,1.45, height 1.45
SOT-23-6#2 [mm]
  rect 1x0.6 smd: 1(-1.125,0.95) 2(-1.125,0) 3(-1.125,-0.95) 4(1.125,-0.95) 5(1.125,0) 6(1.125,0.95)
  silkscreen extent -1.25,-1.55 0.4,2.03, body extent -1.4,-1.45 1.4,1.45, height 1.45
SOT-23GSD [mm]
  rect 1.26x0.59 smd: 1(-0.98,0.95) 2(-0.98,-0.95) 3(0.98,0)
  silkscreen extent -2.46,-1.57 0.7,1.57, body extent -1.25,-1.5 1.25,1.5, height 1.09
"tssop 14" [mm]
  rect 1.48x0.41 smd: 1(-2.875,1.95) 2(-2.875,1.3) 3(-2.875,0.65) 4(-2.875,0) 5(-2.875,-0.65) 6(-2.875,-1.3) 7(-2.875,-1.95) 8(2.875,-1.95) 9(2.875,-1.3) 10(2.875,-0.65) 11(2.875,0) 12(2.875,0.65) 13(2.875,1.3) 14(2.875,1.95)
  silkscreen extent -1.9,-2.55 1.9,2.55, body extent -3.2,-2.5 3.2,2.5, height 1.1
"tssop 16" [mm]
  rect 1.48x0.41 smd: 1(-2.875,2.275) 2(-2.875,1.625) 3(-2.875,0.975) 4(-2.875,0.325) 5(-2.875,-0.325) 6(-2.875,-0.975) 7(-2.875,-1.625) 8(-2.875,-2.275) 9(2.875,-2.275) 10(2.875,-1.625) 11(2.875,-0.975) 12(2.875,-0.325) 13(2.875,0.325) 14(2.875,0.975) 15(2.875,1.625) 16(2.875,2.275)
  silkscreen extent -3.1,-2.55 1.9,3.1, body extent -3.2,-2.5 3.2,2.5, height 1.1
WURTH_632723X00011 [mm]
  rect 0.3x1.2 smd: A1(-2.75,4.58) A2(-2.25,4.58) A3(-1.75,4.58) A4(-1.25,4.58) A5(-0.75,4.58) A6(-0.25,4.58) A7(0.25,4.58) A8(0.75,4.58) A9(1.25,4.58) A10(1.75,4.58) A11(2.25,4.58) A12(2.75,4.58)
  round 0.65 hole 0.4: B1(2.8,3.33) B2(2.4,2.63) B3(1.6,2.63) B4(1.2,3.33) B5(0.8,2.63) B6(0.4,3.33) B7(-0.4,3.33) B8(-0.8,2.63) B9(-1.2,3.33) B10(-1.6,2.63) B11(-2.4,2.63) B12(-2.8,3.33) GND(2,3.33) GND1(-2,3.33)
  oval 1x2 hole 0.6 slot 1.2 at 90 deg: S1(-4.27,2.18) S2(4.27,2.18) S3(4.27,-2.55) S4(-4.27,-2.55)
  rect 0.2x1 smd: S5(0,0) S6(0,-3.1)
  silkscreen extent -4.37,-6 4.37,5.29, body extent -4.47,-3.15 4.47,4.75, height 3.16